# Altium PCB LimeKEY-RPCM_1v2.PcbDoc (part 8 of 8)
Units mm, origin at the board's own origin, x right, y up, seen from the top; angles counter-clockwise.
Board outline 170 x 110 mm, 6 copper layers (Top, L2, L3, L4, L5, Bottom), stack 1.583 mm thick; 727 components, 437 nets, 3165 pads, 1376 vias.
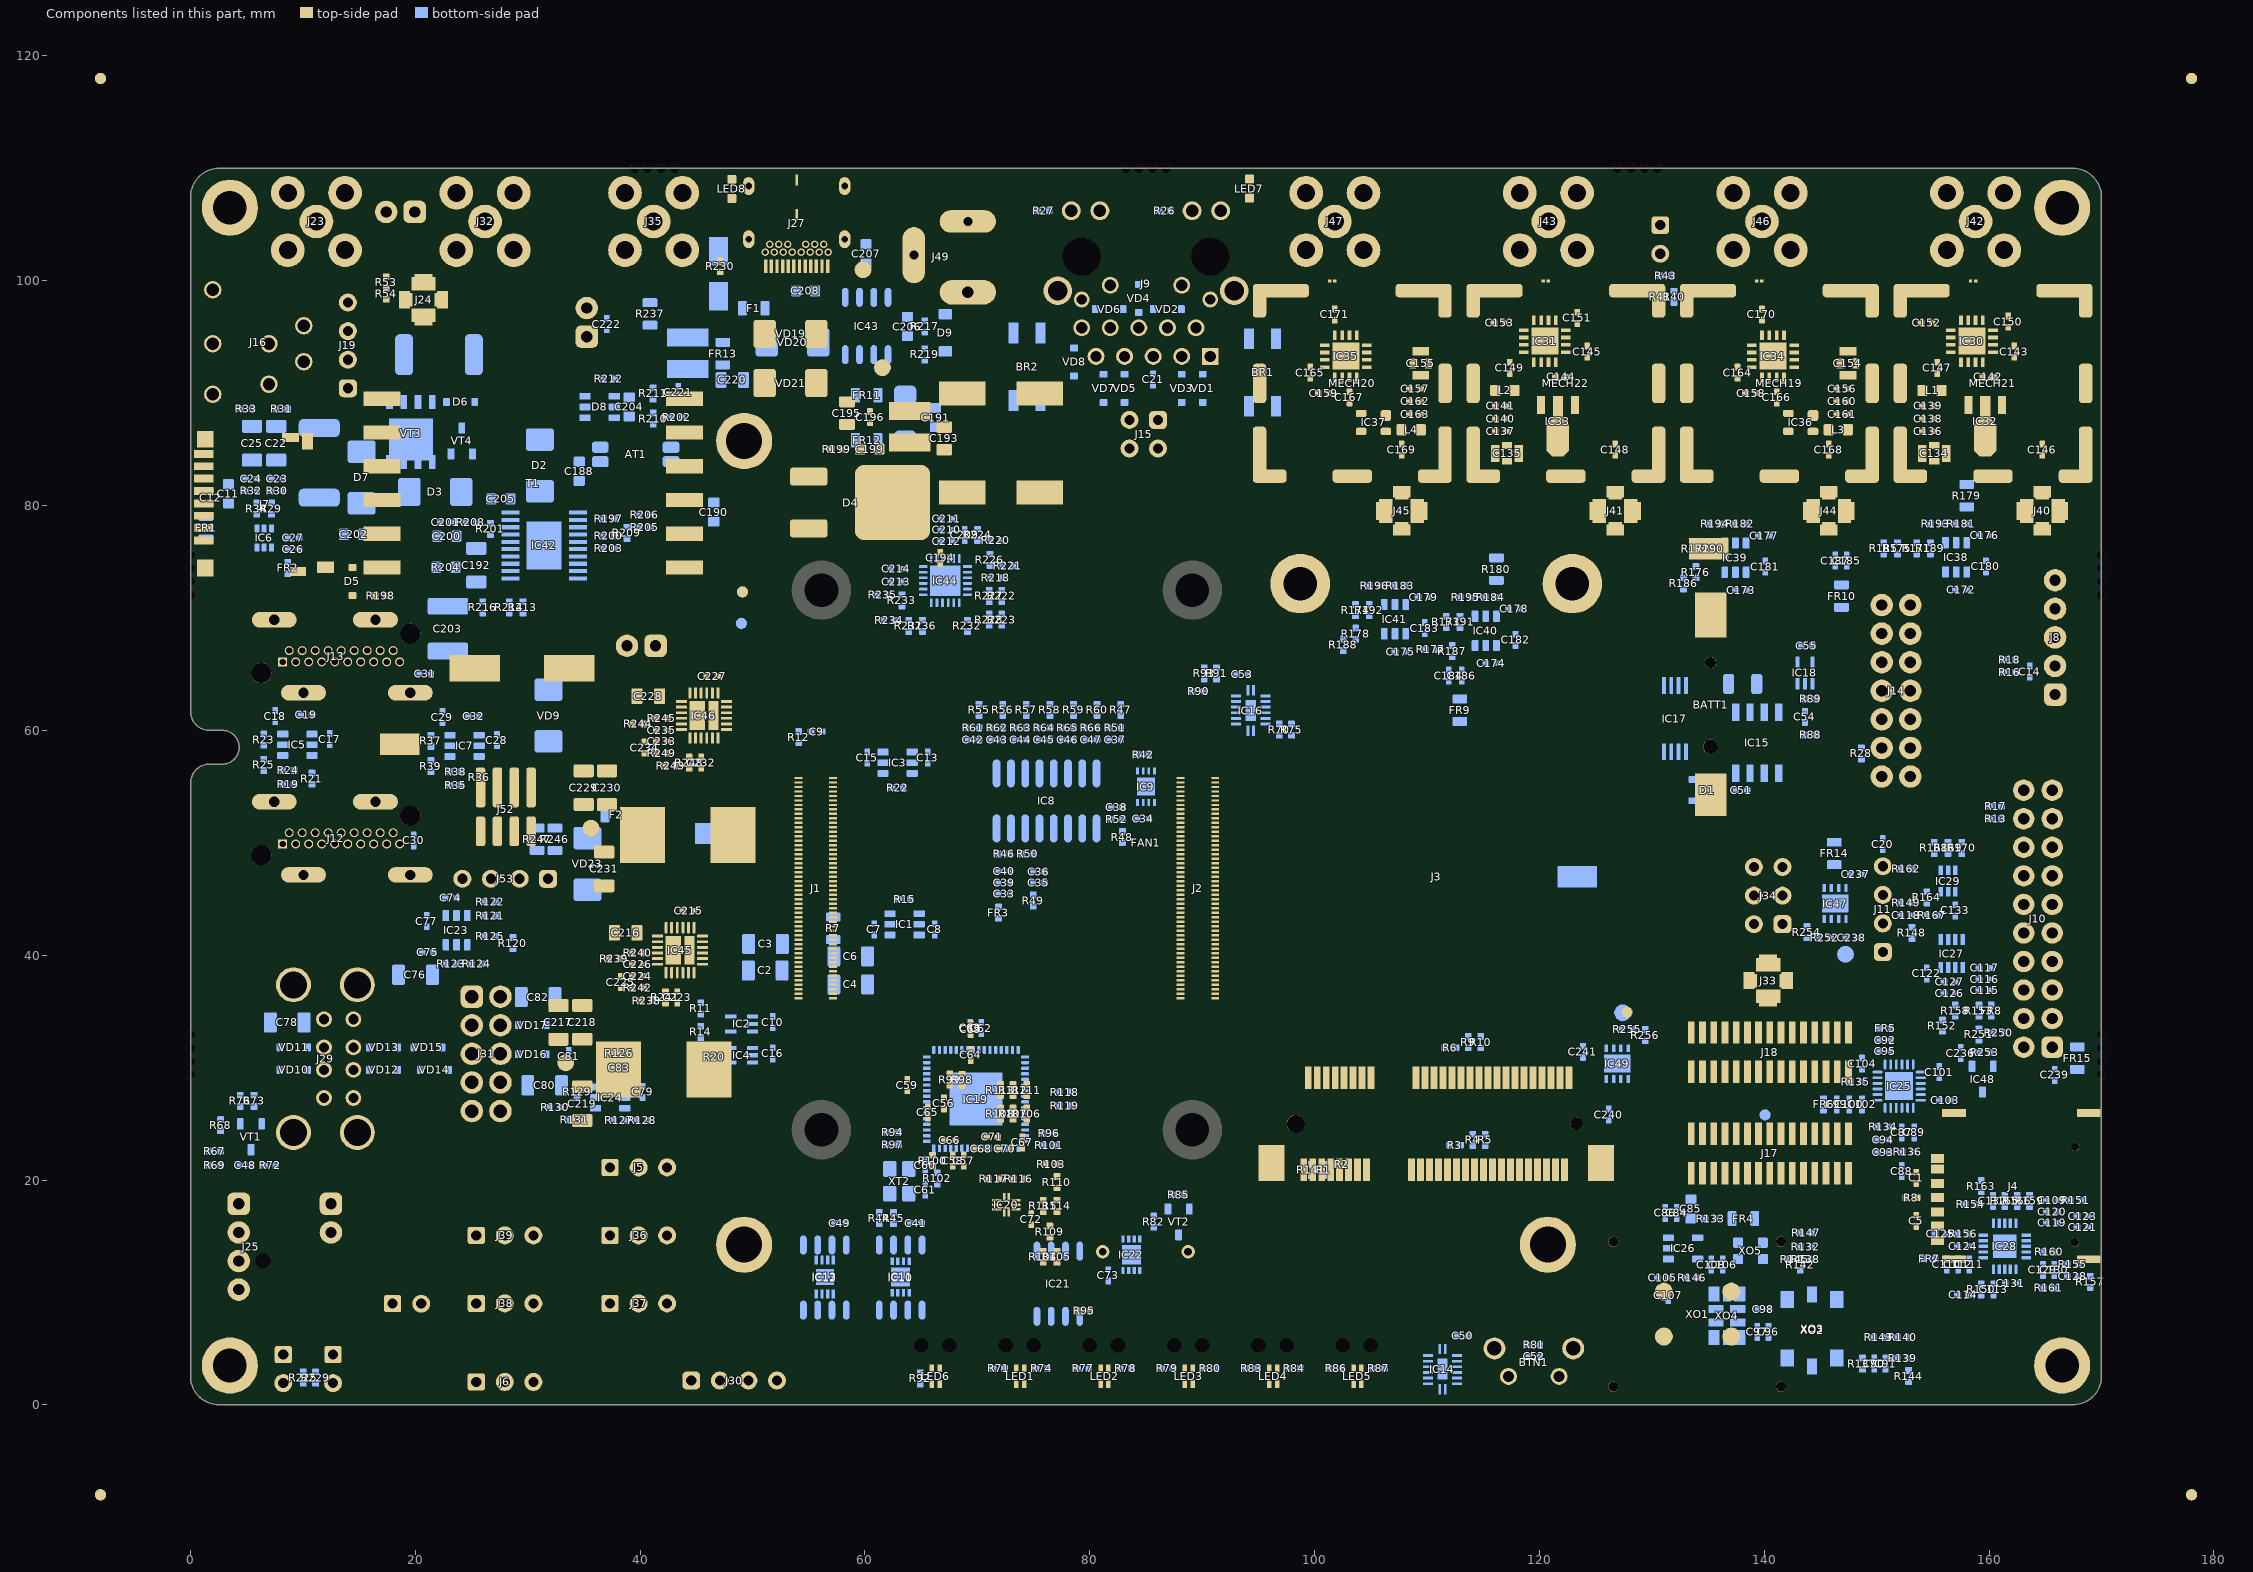
[diagram p12: the components of this part, seen from the top]

## Other copper (continued)
Bottom:
  region net GNDE2: 16.375,76.325 19.75,76.325 19.9,76.475 19.9,78.525 19.75,78.675 16.375,78.675
  region net VCC5P0: 38.325,31.562 38.688,31.925 41.825,31.925 42.525,31.225 42.525,29.8 41.21,28.485 39.315,28.485 38.325,29.475
  region net VCC5P0: 38.325,31.562 38.325,28.725 38.035,28.435 38.485,27.985 40.71,27.985 41.21,28.485 41.21,29.585 39.233,31.562
  region net VCC5P0_USBH: 36.535,28.035 36.385,27.885 33.91,27.885 33.562,27.537 32.437,27.537 32.437,29.037 33.285,29.885 36.11,29.885 36.535,29.46
  region net VCC5P0_USBH: 37.612,30.537 37.275,30.537 36.535,29.797 36.535,29.46 33.71,29.46 33.285,29.885 33.285,30.697 33.425,30.837 33.9,30.837 35.2,32.137 37.35,32.137 37.925,31.562 37.925,30.85
  region net USB_VBUS_IN: 33.725,65.65 34.575,64.8 34.575,62.35 34.35,62.125 32.675,62.125 32.2,62.6 30.725,62.6 30.475,62.85 30.475,64.575 31.55,65.65
  region net USB_VBUS_IN: 65.575,75 65.325,75.25 64.4,75.25 64.175,75.025 64.175,74.375 64.35,74.2 64.6,74.2 64.7,74.3 65.425,74.3 65.575,74.45
  region net USB_VBUS_IN: 52.375,100.6 53.15,99.825 59.625,99.825 60.375,99.075 60.375,97.7 61.925,96.15 64.975,96.15 65.675,96.15 65.825,96.3 65.825,97.475 64.575,98.725 61.25,102.05 55.775,102.05 55.5,102.325 55.5,102.65 55.275,102.875 54.95,102.875 54.775,102.7 54.775,102.25 54.575,102.05 53.375,102.05 53.1,102.325 53.1,102.65 52.875,102.875 52.575,102.875 52.375,102.675
  region net VCC_SCAP: 33.738,49.1 33.113,49.725 30.075,49.725 29.625,49.275 29.625,48.35 30.55,47.425 30.55,43.65 30.975,43.225
  region net NetF2_2: 29.325,50.65 29.325,52.225 30.225,53.125 36.75,53.125 37.275,52.6 37.275,50.325 36.35,49.4 33.75,49.4 32.875,50.275 29.7,50.275
  region net VCC_SCAP: 30.975,48.85 30.975,43.225 31.525,42.675 36.134,42.675 36.8,43.341 36.8,48.55 36.25,49.1 31.225,49.1
  region net NetC202_1: 16.7,79.3 16.3,78.9 15.4,78.9 14.5,78 14.5,76.9 14.25,76.65 12.95,76.65 9.625,79.975 9.625,81.3 9.85,81.525 16.225,81.525 16.7,81.05
  region net NetD3_A: 22.025,87.375 22.025,82.9 21.775,82.65 21.775,81.125 20.6,79.95 18.05,79.95 16.525,81.475 16.525,86.725 17.575,87.775 21.625,87.775
  region net GNDE2: 16.375,78.675 15.475,78.675 14.9,78.1 14.9,76.9 15.475,76.325 16.375,76.325 16.5,76.45 16.5,78.55
  region net NetD3_A: 17.825,87.775 9.9,87.775 9.625,87.5 9.625,86.325 10.325,85.625 10.325,84.9 12.3,82.925 15.95,82.925 17.05,81.825 17.75,81.825 17.825,81.9
  region net VCC3P3: 127.8,29.425 128.725,29.425 128.925,29.225 128.925,26.65 128.175,25.9 125.9,25.9 125.075,26.725 125.075,29.075 125.4,29.4 126.05,29.4 126.25,29.2 126.25,28.55 126.425,28.375 127.425,28.375 127.625,28.575 127.625,29.275 127.775,29.425
  region net VCC3P3: 10.5,61.723 10.5,60.113 10.21,59.823 10.66,59.373 12.885,59.373 13.385,59.873 13.385,60.973 12.635,61.723
  region net VCC3P3: 111,26.45 112.075,25.375 115.2,25.375 116.275,24.3 116.275,21.575 113.35,18.65 113.35,14.025 114.05,13.325 117.125,13.325 117.85,14.05 117.85,16.375 121.7,20.225 121.7,25.025 123.65,26.975 123.65,28.1 123.05,28.7 111.5,28.7 111,28.2
  region net VCC3P3: 125.9,25.9 121.825,25.9 121.175,26.55 121.175,27.925 122.65,29.4 125.4,29.4 125.9,28.9
  region net VCC3P3: 26.858,40.042 27.05,39.85 27.475,39.85 27.8,40.175 27.8,40.7 27.525,40.975 27,40.975 26.858,40.833
  region net VCC3P3: 128.175,25.9 128.925,25.15 134.55,25.15 134.9,25.5 134.9,31.075 133.825,32.15 132.85,32.15 130.125,29.425 128.725,29.425 128.175,28.875
  region net VCC3P3: 56.425,43 56.525,43.1 56.525,43.75 56.675,43.9 56.75,43.9 57.325,44.475 58.875,44.475 59.225,44.125 59.225,43.5 58.825,43.1 58.2,43.1 58.1,43
  region net VCC3P3: 12.323,59.373 13.148,59.373 13.385,59.61 13.385,60.435
  pour cut-out: 15.675,89.942 15.675,95.525 16.675,96.525 27.575,96.525 34.325,89.775 34.325,86.925 26.7,79.3 11.225,79.3 9.3,81.225 9.3,87.95 10.975,89.625 15.358,89.625
  pour cut-out: 15.95,88.925
  pour cut-out: 29.825,71.6 32.05,69.375 44.125,69.375 49.45,74.7 53.598,74.7 60.573,81.675 76.575,81.675 80.225,78.025 89.225,78.025 97.9,86.7 97.9,91.025 95.775,93.15 92.65,93.15 90.408,90.908 90.408,88.175 86.404,84.171 83.529,84.171 77.9,89.799 77.9,92.975 76.775,94.1 68.5,94.1 66.294,91.894 56.852,91.894 48.371,83.413 41.998,83.413 37.21,88.2 33.525,88.2 29.825,84.5
  region net ETH_VC2: 93.5,95.76 93.325,95.585 93.325,94.16 93.575,93.91 94.775,93.91 94.95,94.085 94.95,95.585 94.775,95.76
  region net ETH_VC3: 75,96.275 74.825,96.1 74.825,94.675 75.075,94.425 76.275,94.425 76.45,94.6 76.45,96.1 76.275,96.275
  region net GNDE1: 47.15,79.025 43.175,79.025 41.5,77.35 40.375,77.35 40.6,77.125 45.25,77.125
  region net GNDE2: 25.55,90.025 28.5,87.075 32.275,87.075 32.475,86.875 32.475,84.7 32.325,84.55 33.45,83.425 37.025,83.425 37.2,83.6 37.2,84.25 37.05,84.4 35.575,84.4 35.175,84.8 35.175,86.6 34.3,87.475 34.3,88.475 27.35,95.425 24.425,95.425 24.15,95.15 24.15,90.025
  region net VCC5P0: 28.5,54.75 29.775,56.025 29.9,56.025 30.025,55.9 30.025,54.15 29.1,54.15
  region net NetF1_2: 49.975,92.15 50.325,91.8 53.825,91.8 54.225,92.2 54.225,97.325 52.85,98.7 50.35,98.7 49.975,98.325
  region net GNDE2: 21.35,69.875 22.175,69.05 27.675,69.05 28.7,70.075 28.7,70.75 27.025,70.75 26.275,70 25.575,70 25.4,70.175 25.4,70.725 21.4,70.725 20.95,70.275
  region net GNDE1: 33.925,74.825 33.475,75.275 33.475,76.325 32.925,76.875 32.675,76.625 32.675,75 32.85,74.825
  region net GNDE1: 37.425,78.5 39.125,78.5 39.25,78.625 39.25,79.225 38.925,79.55 37.775,79.55 37.425,79.2
  region net GNDE2: 24.625,91.225 24.95,91.55 26.15,91.55 26.775,92.175 26.775,95 26.35,95.425 24.4,95.425 23.525,94.55 23.525,91.575 23.875,91.225
  region net VCC5P0: 145.534,66.291 143.75,68.075 132.7,68.075 122.6,57.975 112.325,57.975 111.55,58.75 111.55,60.575 112.175,61.2 120.525,61.2 130.251,70.926 145.557,70.926
  region net VCC5P0: 146.975,49.65 148.125,50.8 148.125,58.75 148.9,59.525 148.9,70.075 147.625,71.35 145.85,71.35 143.985,69.485 143.985,67.29 144.35,66.925 144.9,66.925 145.225,66.6 145.225,59.025 144.775,58.575 144.775,50.35 145.475,49.65
  region net VCC5P0: 21.41,46.115 21.97,46.675 22.35,46.675 23.158,45.867 23.158,45.315 22.958,45.115 22.41,45.115
  region net NetC48_1: 2.375,23.475 2.375,24.325 2.725,24.675 3.55,24.675 3.875,24.35 3.875,23.925 3.425,23.475
  region net VCC1P5: 125.575,31.6 122.575,31.6 122.125,31.15 122.125,29.775 121.4,29.05 112.4,29.05 112.225,29.225 112.225,30.775 112.6,31.15 113.05,31.15 113.575,30.625 115.15,30.625 115.475,30.95 115.475,33.125 114.475,34.125 107.825,34.125 103.7,30 100.525,30 100.2,30.325 100.2,32.7 104.65,37.15 116.525,37.15 118.175,35.5 125.775,35.5 125.9,35.625 125.9,31.925
  region net VCC1P5: 126.775,33.975
  region net GND: 47.95,107.525 50.025,107.525 50.225,107.725 50.225,109.125 50,109.35 47.95,109.35
  region net VCC5P0: 29.5,57.435 29.5,53.5 29.6,53.4 36.875,53.4 37.2,53.725 37.2,55.175 30.752,61.623 27.51,61.623 27.51,59.425
  region net VCC3P3_RPI: 56.275,40.525 56.275,41.65 56.425,41.8 57.925,41.8 58.025,41.7 58.025,40.575 57.975,40.525
  region net VCC5P0_USBE: 14.65,35.5 18.895,35.5 20.675,37.28 20.675,39.167 21.11,39.602 22.998,39.602 23.11,39.49 23.11,38.252 23.458,37.904 23.458,35.408 20.95,32.9 14.725,32.9
  region net VCC3P3_RPI: 56.275,39.275 56.625,38.925 57.025,38.925 57.2,38.75 57.9,38.75 58.025,38.875 58.025,40.575 57.8,40.8 56.55,40.8 56.275,40.525
  region net VCC1P8_RPI: 56.45,38.775 56.275,38.6 56.275,36.55 56.55,36.275 57.75,36.275 58.025,36.55 58.025,38.3 57.825,38.5 57.1,38.5 56.825,38.775
  region net VCC5P0: 52.05,37.725 54.15,37.725 54.9,38.475 54.9,41.125 54.1,41.925 52.075,41.925 51.95,41.8 51.95,37.825
  region net VCC5P0_HDMI: 20.335,61.173 19.052,61.173 17.375,62.85 17.375,63.775 17.875,64.275 20.025,64.275 20.65,64.9 20.65,66.7 19.775,67.575 19.1,67.575 18.8,67.875 17.85,67.875 17.575,67.6 17.575,66.95 17.925,66.6 18.825,66.6 19.175,66.25 19.175,65.875 18.875,65.575 16.35,65.575 15.1,64.325 15.1,61.225 18.725,57.6 18.725,57.425 20.335,59.035
  region net VCC5P0_HDMI: 20.335,61.173 18.45,59.288 18.45,55.15 20.675,52.925 20.675,51.9 20.15,51.375 19.1,51.375 18.8,51.675 17.9,51.675 17.55,51.325 17.55,50.725 17.875,50.4 21.3,50.4 22.2,51.3 22.2,54.3 20.612,55.888 20.612,58.825
  region net VCC_INT: 37.775,49.525 37.775,54.875 35.075,57.575 35.075,68.175 35.65,68.75 39.75,68.75 40.125,68.375 40.125,66.475 40.4,66.2 43.725,66.2 44.6,65.325 44.6,62.175 43.825,61.4 40.675,61.4 40.075,60.8 40.075,59.3 44.025,55.35 44.025,48.837 38.462,48.837
  region net VCC_INT: 37.701,43.125 38.45,43.125 39.1,42.475 43.95,42.475 44.85,43.375 44.85,48.013 42.362,50.5 37.9,50.5 37.726,50.326
  region net VCC5P0_RXA_LNA: 109.698,73.94 110.706,74.948 116.927,74.948 117.35,75.371 117.35,77.35 116.525,78.175 109.75,78.175 107.35,75.775 107.35,74.788
  region net VCC5P0_RFA: 110.148,66.765 110.148,65.823 109.75,65.425 108.275,65.425 107.798,65.902 107.798,66.515
  region net VCC5P0_RFA: 107.798,66.515 107.798,64.327 110.05,62.075 116.625,62.075 118.225,63.675 118.225,65.725 115.925,65.725 115,64.8 111.575,64.8 109,67.375 108.56,67.375 107.85,66.665
  region net VCC5P0_RXB_LNA: 158.775,81.4 158.775,82.425 158.55,82.65 155.7,82.65 155.5,82.45 155.5,81.375 155.7,81.175 158.55,81.175
  region net VCC5P0_RFB: 138.085,71.987 138.572,71.5 145.425,71.5 145.875,71.95 149.3,71.95 149.725,72.375 153.5,72.375 156.225,69.65 159.075,69.65 160.073,70.648 160.073,72.265 157.815,72.265 157.65,72.1 156.625,72.1 153.825,74.9 142.975,74.9 142.447,74.372 139.357,74.372 138.085,73.1
  region net VCC3P3_SD: 8.71,59.423 8.56,59.273 6.085,59.273 5.737,58.925 4.612,58.925 4.612,60.425 5.46,61.273 8.285,61.273 8.71,60.848
  region net VCC1P5: 126.35,31.425 126.35,32.15 126.475,32.275 126.875,32.275 127.825,33.225 127.825,35.225 127.425,35.625 125.9,35.625 125.45,35.175 125.45,33.2 125.025,32.775 125.025,31.6 125.3,31.325 126.25,31.325
  region net VCC3P3_CLK: 146.875,43.525 146.875,42.8 146.75,42.675 146.35,42.675 145.4,41.725 145.4,39.725 145.8,39.325 147.325,39.325 147.775,39.775 147.775,41.75 148.2,42.175 148.2,43.35 147.925,43.625 146.975,43.625
  region net NetC237_2: 145.425,45.525 144.5,45.525 144.3,45.725 144.3,48.3 145.05,49.05 147.325,49.05 148.15,48.225 148.15,45.875 147.825,45.55 147.175,45.55 146.975,45.75 146.975,46.4 146.8,46.575 145.8,46.575 145.6,46.375 145.6,45.675 145.45,45.525
  region net VCC5P0_USBE: 14.65,35.5 15.325,34.825 15.325,33.5 14.725,32.9 9.825,32.9 9.4,33.325 9.4,34.775 10.125,35.5
  region net NetC48_1: 2.5,18.35 4.675,20.525 4.675,23.125 3.875,23.925 3.125,23.925 3.125,20.25 2.5,19.625
  region net NetC48_2: 5.1,23.225 4.875,23 4.875,20.175 3.3,18.6 3.3,16.95 3.375,16.875 6.05,16.875 6.875,17.7 6.875,23 6.65,23.225
  region net VCC_INT: 48.1,92.925 48.1,90.875 47.325,90.1 42.6,90.1 41.875,90.825 41.875,92.45 42.65,93.225 47.8,93.225
  region net NetFR13_1: 39.15,96.65 39.15,93.8 39.35,93.6 42.5,93.6 48.075,93.6 48.45,93.975 48.45,95.525 47.8,96.175 45.95,96.175 45.25,96.875 39.375,96.875
  region net VCC_EXT: 49.525,96.5 46.3,96.5 45.575,97.225 39.25,97.225 38.35,96.325 34.125,96.325 33.7,96.75 33.7,100.45 34.225,100.975 48.35,100.975 49.525,99.8
  region net POE_IN+: 33.7,79.2 30.25,79.2 29.825,79.625 29.825,82.125 30.475,82.775 34.1,82.775 35.975,82.775 35.975,79.45 35.725,79.2
  region net GNDE2: 26.325,74.425 26.325,72.45 25.9,72.025 25.625,72.025 25.4,71.8 25.4,70.725 24.55,69.875 21.35,69.875 20.95,70.275 20.95,73.1 21.55,73.7 24.125,73.7 24.85,74.425
  region net NetR213_1: 17.35,88.325 16.55,89.125 16.55,94.6 17.55,95.6 20.075,95.6 20.925,94.75 20.925,88.9 20.35,88.325
  region net GNDE1: 37.425,77.65 38.4,77.65 38.475,77.575 40.15,77.575 40.6,77.125 44.975,77.125 44.975,75.95 43.075,74.05 37,74.05 38.2,75.25 38.2,75.7 38.05,75.85 37.425,75.85
  region net POE_IN+: 33.7,79.2 33.2,79.7 33.2,81.425 35.675,81.425 36.45,80.65 36.45,79.925 35.725,79.2
  region net GNDE1: 43.3,75.125 43.5,74.925 40.35,71.775 33.475,71.775 31.45,73.8 31.45,75.125
  region net VCC5P0_HDMI: 23.585,59.323 23.435,59.173 20.96,59.173 20.612,58.825 19.487,58.825 19.487,60.325 20.335,61.173 23.16,61.173 23.585,60.748
  region net VCC5P0: 25.375,61.623 25.375,60.013 25.085,59.723 25.535,59.273 27.76,59.273 28.26,59.773 28.26,60.873 27.51,61.623
  region net VCC_USB_PD: 54.6,99.2 54.6,94.075 55.4,93.275 56.5,93.275 60.15,96.925 60.15,99.075 59.525,99.7 55.1,99.7
  region net VCC5P0: 20.66,43.23 22.27,43.23 22.56,42.94 23.01,43.39 23.01,45.615 22.51,46.115 21.41,46.115 20.66,45.365
  region net VCC5P0_USBE: 22.96,41.44 23.11,41.29 23.11,38.815 23.458,38.467 23.458,37.342 21.958,37.342 21.11,38.19 21.11,41.015 21.535,41.44
  region net VCC5P0_RFA: 118.225,67.86 116.615,67.86 116.325,68.15 115.875,67.7 115.875,65.475 116.375,64.975 117.475,64.975 118.225,65.725
  region net VCC5P0_TXB_PA: 157.773,76.19 157.623,76.34 157.623,78.815 157.275,79.163 157.275,80.288 158.775,80.288 159.623,79.44 159.623,76.615 159.198,76.19
  region net VCC5P0_RFB: 160.073,74.4 158.463,74.4 158.173,74.69 157.723,74.24 157.723,72.015 158.223,71.515 159.323,71.515 160.073,72.265
  region net VCC5P0_RFB: 140.435,74.372 138.825,74.372 138.535,74.663 138.085,74.213 138.085,71.987 138.585,71.487 139.685,71.487 140.435,72.237
  region net VCC5P0_RXB_LNA: 138.135,76.162 137.985,76.312 137.985,78.788 137.637,79.136 137.637,79.65 139.748,79.65 139.985,79.413 139.985,76.587 139.56,76.162
  region net VCC5P0_TXA_PA: 115.925,69.65 115.775,69.8 115.775,72.275 115.427,72.623 115.427,73.748 116.927,73.748 117.775,72.9 117.775,70.075 117.35,69.65
  region net VCC5P0_RXA_LNA: 107.848,70.69 107.698,70.84 107.698,73.315 107.35,73.663 107.35,74.788 108.85,74.788 109.698,73.94 109.698,71.115 109.273,70.69
  region net VCC5P0_RFA: 110.148,68.9 108.538,68.9 108.248,69.19 107.798,68.74 107.798,66.515 108.298,66.015 109.398,66.015 110.148,66.765

## Silkscreen, mask and mechanical layers (free items; w line width, h text height)
TopOverlay:
  drawing of 2460 lines, arcs and shapes, not listed
  text "POE" at 93.85,105.3 h0.7
  text "USB" at 46.425,105.275 h0.7
  text "EXT SYNC" at 30.5,104.85 h1.5
  text "9-14" at 62.2,104.825 h2.5 r90
  text "VDC" at 64.275,104.825 h2.5 r90
  text "GND" at 126.875,104.475 h0.7
  text "1" at 132.5,104.45 h0.7
  text "VDD" at 93.45,104.075 h0.7
  text "VBUS" at 46.025,104.05 h0.7
  text "RXA" at 109.625,103.35 h1.5 r90
  text "RXB" at 147.625,103.35 h1.5 r90
  text "IN" at 93.875,102.875 h0.7
  text "IN" at 46.45,102.85 h0.7
  text "TRXA" at 114.425,102.525 h1.5 r90
  text "TRXB" at 152.425,102.525 h1.5 r90
  text "RF" at 125.875,102.35 h0.7
  text "SW" at 127.55,102.35 h0.7
  text "INT" at 0.575,102.275 h1.5
  text "GND" at 19.275,101.575 h0.7
  text "TDD" at 126.3,101.25 h0.7
  text "EXT" at 0.6,100.225 h1.5
  text "OUT" at 39.275,98.825 h1.5
  text "IN" at 25.825,98.8 h1.5
  text "USB PD" at 49.45,98.325 h2.5
  text "USB" at 58.675,98 h0.7
  text "VCC" at 29.225,97.55 h0.7
  text "VBUS" at 58.375,96.925 h0.7
  text "TVDAC" at 16.725,96.425 h0.7 r90
  text "EXT" at 29.275,96.4 h0.7
  text "IN" at 58.4,95.825 h0.7
  text "GND" at 29.3,94.5 h0.7
  text "R" at 16.725,94.45 h0.7 r90
  text "VCC12P0" at 59.075,94.35 h0.7
  text "1" at 31,93.275 h0.7
  text "POE" at 59.075,93.275 h0.7
  text "L" at 16.775,92.225 h0.7 r90
  text "Ethernet + (Active) PoE" at 77.65,90.3 h0.7
  text "GND" at 16.775,90.175 h0.7 r90
  text "1" at 87.825,88.475 h0.7
  text "1" at 14.625,88.05 h0.7 r90
  text "VC4" at 79.475,87.225 h0.7
  text "VC2" at 87.725,87.175 h0.7
  text "VC1" at 87.75,84.5 h0.7
  text "VC3" at 79.5,84.475 h0.7
  text "ETH" at 83.525,82.375 h0.7
  text "RXA" at 111.05,79.775 h1.2
  text "TXA" at 120.7,79.775 h1.2
  text "RXB" at 149.05,79.775 h1.2
  text "TXB" at 158.7,79.775 h1.2
  text "OUT" at 111.05,78.05 h1.2
  text "IN" at 121.25,78.05 h1.2
  text "OUT" at 149.05,78.05 h1.2
  text "IN" at 159.25,78.05 h1.2
  text "RPI SYS" at 147.725,74.15 h1.2
  text "GND" at 133.925,73.575 h0.7
  text "5" at 161.425,73 h0.7
  text "14" at 149.6,72.825 h0.7
  text "13" at 152.325,72.825 h0.7
  text "uSD" at 3.7,72.275 h1.5
  text "CR1220" at 138.6,71.3 h0.7
  text "GLOBAL EN" at 144.525,69.975 h0.7
  text "RUN PG BUFF" at 154.625,69.975 h0.7
  text "PANEL" at 161.075,68.775 h1.2 r90
  text "GND" at 143.229,68.136 h0.7
  text "TVDAC" at 154.679,68.107 h0.7
  text "GND" at 43.2,66.975 h0.7
  text "GND" at 143.229,65.593 h0.7
  text "1" at 43.15,64.85 h0.7
  text "SYNC OUT" at 154.679,64.814 h0.7
  text "GND" at 154.679,63.021 h0.7
  text "VCC" at 36.35,62.975 h0.7
  text "1" at 161.65,62.625 h0.7
  text "SYNC IN" at 145.85,62.2 h0.7
  text "FRONT" at 161.1,62 h1.2 r90
  text "INT" at 36.375,61.9 h0.7
  text "HDMI1" at 0.775,60.725 h1.5
  text "AIP1" at 143.229,60.507 h0.7
  text "AIP0" at 154.679,60.479 h0.7
  text "19" at 167.95,60.275 h0.7
  text "20" at 159.15,60.125 h0.7
  text "cap" at 29.925,57.925 h1.2
  text "GND" at 154.679,57.936 h0.7
  text "Super" at 23.125,57.9 h1.2
  text "EEPROM nWP" at 144.525,57.25 h0.7
  text "GND" at 17.625,56.25 h0.7
  text "nRPIBOOT" at 143.229,55.421 h0.7
  text "GND" at 154.679,55.393 h0.7
  text "HDMI0" at 0.725,54.675 h1.5
  text "2" at 149.925,53.125 h0.7
  text "1" at 152.775,53.125 h0.7
  text "RPI" at 134.2,48.25 h0.7
  text "VCC" at 146.7,48.025 h0.7
  text "SYNC" at 134.325,47.15 h0.7
  text "3P3" at 146.724,46.925 h0.7
  text "1" at 33.6,46.325 h0.7
  text "VCC5P0" at 35.275,46.1 h0.7 r90
  text "OUT" at 134.3,46.1 h0.7
  text "PCIe" at 143.2,45.85 h0.7
  text "SYNC" at 131.575,45.175 h1.2 r90
  text "SEL" at 133.925,45.15 h1.2 r90
  text "RX" at 144.475,44.8 h0.7
  text "PPS" at 142.85,44.75 h0.7
  text "GND" at 25.557,43.85 h0.7
  text "GND" at 28.25,43.85 h0.7
  text "VCC" at 30.85,43.85 h0.7
  text "SCAP" at 33.175,43.85 h0.7
  text "TEMP" at 22.2,43.825 h0.7
  text "OUT" at 143.2,43.625 h0.7
  text "LMK" at 134.5,43.175 h0.7
  text "TX" at 147.2,42.275 h0.7
  text "1" at 143.3,42.175 h0.7
  text "CLK" at 134.15,42.1 h0.7
  text "2" at 29.3,41.925 h0.7
  text "Bottom" at 6.35,41.525 h1.2
  text "EXT" at 131.575,41.225 h1.2 r90
  text "OUT" at 133.9,41.225 h1.2 r90
  text "Top" at 13.9,41.125 h1.2
  text "OUT3" at 134.475,40.975 h0.7
  text "GND" at 144.555,39.791 h0.7
  text "RPI UART" at 153.825,39.575 h1.2 r90
  text "D2" at 10.675,39.55 h1.2
  text "D3" at 13.925,39.55 h1.2
  text "RPI GPIO" at 158.675,39.5 h1.2 r90
  text "Dual USB2.0" at 0.15,39.3 h1.5
  text "LMK" at 134.125,38.85 h1.2
  text "1" at 150.2,37.55 h0.7
  text "CLK" at 134.125,37.075 h1.2
  text "OUT1" at 133.825,35.25 h1.2
  text "CAMERA1" at 137.575,26.925 h1.2
  text "1" at 169.5,26.325 h0.7
  text "2" at 158.225,26.3 h0.7
  text "VCC3P3" at 33.55,24.925 h0.7 r90
  text "GND" at 38.7,22.85 h0.7
  text "USB2.0 header" at 21.25,21.225 h1.5 r90
  text "1" at 34.9,20.625 h0.7
  text "10" at 28.775,19.475 h0.7
  text "9" at 22.95,19.45 h0.7
  text "1" at 7.95,18.875 h0.7
  text "1" at 16.1,18.875 h0.7
  text "RPI CM4" at 57.925,18.425 h1.2
  text "mPCIe x1" at 107.875,18.25 h1.2
  text "RPI" at 33.25,18.225 h0.7
  text "GLOBAL" at 35.45,18.225 h0.7
  text "EN" at 39.8,18.225 h0.7
  text "RPI" at 41.575,18.225 h0.7
  text "RUN" at 43.775,18.225 h0.7
  text "PG" at 46.1,18.225 h0.7
  text "LMK" at 22.875,17.95 h0.7
  text "CLK" at 25.134,17.95 h0.7
  text "EXT" at 27.975,17.95 h0.7
  text "SYNC" at 30.15,17.95 h0.7
  text "DISPLAY1" at 137.2,17.925 h1.2
  text "CTRL" at 16.125,17.2 h1
  text "REF" at 36.65,16.825 h0.7
  text "CLK" at 38.9,16.825 h0.7
  text "IN" at 41.25,16.825 h0.7
  text "OUT2" at 23.4,16.775 h0.7
  text "IN" at 29.6,16.775 h0.7
  text "VCC" at 16.15,14.675 h1
  text "1" at 23,14.525 h0.7
  text "1" at 34.9,14.525 h0.7
  text "PCIe" at 24.825,12.25 h0.7
  text "UIMC4" at 27.8,12.25 h0.7
  text "RPI" at 34.45,12.025 h0.7
  text "SYNC" at 36.65,12.025 h0.7
  text "EXT" at 40.1,12.025 h0.7
  text "SYNC" at 42.275,12.025 h0.7
  text "NC" at 7.875,12 h1
  text "ADC" at 18.95,11.65 h0.7
  text "Nano-SIM" at 158.675,11.275 h1.2
  text "OUT" at 35.95,10.975 h0.7
  text "IN" at 41.875,10.95 h0.7
  text "RPI" at 24.625,10.775 h0.7
  text "SYNC" at 26.875,10.775 h0.7
  text "IN" at 29.9,10.775 h0.7
  text "GND" at 16.8,10.525 h0.7
  text "USR" at 19.275,10.525 h0.7
  text "NC" at 7.925,9.6 h1
  text "FAN" at 10.475,9.225 h1.2
  text "1" at 15.666,8.575 h0.7
  text "1" at 23,8.475 h0.7
  text "1" at 34.9,8.475 h0.7
  text "USB PD" at 6.075,7.3 h0.7
  text "USB C" at 10.825,7.3 h0.7
  text "RPI BTN1" at 115.2,7.05 h1.2
  text "RPI Status" at 101.725,6.8 h0.7
  text "VCC3P3 Power" at 64.2,6.75 h0.7
  text "1" at 71.7,6.75 h0.7
  text "4" at 94.2,6.75 h0.7
  text "PCIe" at 36.475,6.2 h0.7
  text "PPS" at 39.4,6.2 h0.7
  text "IN" at 41.75,6.2 h0.7
  text "1.5A" at 6.05,6.175 h0.7
  text "RPI" at 11.3,6.175 h0.7
  text "PCIe" at 21.025,6.15 h0.7
  text "PPS" at 23.9,6.15 h0.7
  text "OUT" at 26.25,6.15 h0.7
  text "EXT" at 29.075,6.15 h0.7
  text "SYNC" at 31.325,6.15 h0.7
  text "IN" at 34.35,6.15 h0.7
  text "RPI" at 29.65,5.05 h0.7
  text "BT" at 31.95,5.05 h0.7
  text "RPI" at 22.2,5.025 h0.7
  text "WL" at 24.4,5.025 h0.7
  text "1" at 6.025,3.925 h0.7
  text "1" at 10.45,3.925 h0.7
  text "GND" at 43.35,3.85 h0.7
  text "D0+" at 45.95,3.85 h0.7
  text "D0-" at 48.6,3.85 h0.7
  text "VCC5P0" at 51.025,3.85 h0.7
  text "GND" at 26.775,3.725 h0.7
  text "DISABLE" at 29.175,3.725 h0.7
  text "DISABLE" at 21.725,3.7 h0.7
  text "USB2.0" at 54.925,1.975 h1.2
  text "1" at 42.175,1.5 h0.7
  text "1" at 23,1.488 h0.7
  text "LimeKEY RPCM  / v1.1" at 143.425,1.15 h2.6
  text "HUB" at 54.975,0.075 h1.2
BottomOverlay:
  circle w0.2: c49.25,85.75 r3.5
  circle w0.2: c49.25,14.25 r3.5
  circle w0.2: c120.75,14.25 r3.5
  circle w0.2: c89.125,72.475 r3.5
  circle w0.2: c89.125,24.475 r3.5
  circle w0.2: c56.125,24.475 r3.5
  circle w0.2: c56.125,72.475 r3.5
  region: 162.793,90.374 169.75,90.374 169.75,101.026 162.793,101.026
  lines w0.15: 24.175,25.325 23.75,24.9 ; 24.175,26.95 23.75,27.375 ; 25.875,25.325 26.3,24.9 ; 25.875,26.95 26.3,27.375 ; 147.313,8.638 148.688,9.013 ; 23.75,24.9 26.3,24.9 ; 23.75,24.9 23.75,27.375 ; 23.75,27.375 26.3,27.375 ; 26.3,24.9 26.3,27.375 ; 95.687,70.038 95.687,76.063 101.762,76.063 101.762,70.038 95.687,70.038 ; 119.887,70.038 119.887,76.063 125.962,76.063 125.962,70.038 119.887,70.038
  text "GND" at 47.55,48.4 h0.7
  text "GND" at 124.225,44.575 h0.7
  text "CLK" at 144.7,38.025 h0.7
  text "VCC3P3" at 149.25,38.025 h0.7
  text "VCC1P5" at 129.325,36.175 h0.7
TopSolder:
  region: 53.525,102.425 54.325,102.425 54.325,102.625 53.525,102.625
  region: 51.05,102.825 51.6,103.375 53.05,103.375 53.6,102.825 53.6,102.62 53.355,102.375 51.295,102.375 51.05,102.62
  region: 56.8,102.825 56.25,103.375 54.8,103.375 54.25,102.825 54.25,102.62 54.495,102.375 56.555,102.375 56.8,102.62
BottomSolder:
  region: 53.525,102.425 54.325,102.425 54.325,102.625 53.525,102.625
  region: 55.475,13.575 55.475,13.25 55.6,13.125 56,13.125 56.075,13.2 56.075,13.575
  region: 57.375,13.575 57.375,13.25 57.25,13.125 56.85,13.125 56.775,13.2 56.775,13.575
  region: 51.05,102.825 51.6,103.375 53.05,103.375 53.6,102.825 53.6,102.62 53.355,102.375 51.295,102.375 51.05,102.62
  region: 56.8,102.825 56.25,103.375 54.8,103.375 54.25,102.825 54.25,102.62 54.495,102.375 56.555,102.375 56.8,102.62
Mechanical1:
  drawing of 2579 lines, arcs and shapes, not listed
  text "LimeKEY RPCM v1.1" at 337.5,286.5 h7
  text "CONTROLLED IMPEDANCE" at 197.6,273 h3
  text "STACKUP AND LAYER DESCRIPTION" at 326.6,273 h3
  text "GENERAL PARAMETERS" at 211.5,266.5 h1.7
  text "Parameter" at 233.5,262.725 h1.5
  text "Layer/Layers" at 279,262.5 h1.5
  text "Value" at 309,262.5 h1.5
  text "Top" at 274,257.7 h1.5
  text "17.5um" at 301.3,257.7 h1.5
  text "Copper foil thickness" at 198.5,257.5 h1.5
  text "173um (6.8 mils)" at 300.6,253.1 h1.5
  text "Dielectric thickness between layers" at 198.5,252.5 h1.5
  text "4.2" at 301.5,247.7 h1.5
  text "Dielectric permittivity between layers (Er)" at 198.5,247.5 h1.5
  text "Top-L2" at 274,246.5 h1.5
  text "17.5um" at 301.3,242.7 h1.5
  text "Copper foil thickness" at 198.5,242.5 h1.5
  text "Bottom" at 274,241.5 h1.5
  text "173um (6.8 mils)" at 300.6,238.1 h1.5
  text "Dielectric thickness between layers" at 198.5,237.5 h1.5
  text "TH via" at 460.725,234.975 h1.52
  text "GERBER LAYER NAMES:" at 334.325,233.575 h1.52
  text "4.2" at 301.5,232.7 h1.5
  text "Dielectric permittivity between layers (Er)" at 198.5,232.5 h1.5
  text "Top-Bot" at 460.175,231.9 h1.52
  text "Bottom-L5" at 274,231.6 h1.5
  text "GTP" at 335.425,230.025 h1.52
  text "Top solder paste" at 340.525,229.675 h1
  text "GTO" at 335.425,226.95 h1.52
  text "Silkscreen" at 340.425,226.725 h1
  text "ELECTRICAL LAYERS:" at 474.725,225.475 h1.52
  text "CALCULATIONS" at 197.5,225 h1.7
  text "GTS" at 335.425,224.275 h1.52
  text "Soldermask (halogen free)" at 340.425,222.975 h1
  text "Top: RF//PWR/GND" at 475.4,222 h1.52
  text "GTL" at 335.425,221.775 h1.52
  text "0.5oz+plating" at 340.425,221.275 h1
  text "Target impedance" at 204.5,220 h1.5
  text "Single-ended" at 274,220 h1.5
  text "50R" at 300.5,220 h1.5
  text "6.8mil (173um)" at 372.285,219.1 h1
  text "IT180A: 1086X1+2113X1" at 389.385,219.1 h1.2
  text "PP" at 362.725,218.975 h1
  text "G1" at 335.425,217.275 h1.52
  text "L2: GND" at 475.425,216.975 h1.52
  text "1oz (35um)" at 340.285,216.925 h1
  text "Additional comments" at 204.5,215 h1.5
  text "Top layer, no side GND plane" at 274,215 h1.5
  text "10mil (250um)" at 372.285,214.6 h1
  text "IT180A: 2116X2" at 389.385,214.6 h1.2
  text "CORE" at 362.725,214.475 h1
  text "G2" at 335.425,212.775 h1.52
  text "L3: Signal/PWR/GND" at 475.425,212.475 h1.52
  text "1oz (35um)" at 340.285,212.425 h1
  text "IT180A: 7628X2" at 389.335,210.1 h1.2
  text "18mil (450um)" at 372.235,210.05 h1
  text "Top layer copper foil thickness" at 204.5,210 h1.5
  text "17.5 um" at 274,210 h1.5
  text "PP" at 362.725,209.975 h1
  text "G3" at 335.425,208.275 h1.52
  text "L4: PWR/Signal/GND" at 475.425,207.975 h1.52
  text "1oz (35um)" at 340.285,207.925 h1
  text "10mil (250um)" at 372.285,205.6 h1
  text "IT180A: 2116X2" at 389.385,205.6 h1.2
  text "CORE" at 362.725,205.475 h1
  text "Track width" at 204.5,205 h1.5
  text "0.325 mm (12.795 mils)" at 274,205 h1.5
  text "G4" at 335.425,203.775 h1.52
  text "L5: GND" at 475.525,203.475 h1.52
  text "1oz (35um)" at 340.285,203.425 h1
  text "IT180A: 1086X1+2113X1" at 389.41,201.3 h1.2
  text "6.8mil (173um)" at 372.285,201.1 h1
  text "PP" at 362.725,200.975 h1
  text "173um (6.8 mils)" at 274,200.1 h1.5
  text "Top layer copper foil thickness" at 204.5,200 h1.5
  text "GBL" at 335.425,199.275 h1.52
  text "Bottom: RF/Signal/PWR/GND" at 475.475,199.25 h1.52
  text "0.5oz+plating" at 340.425,198.775 h1
  text "GBS" at 335.425,196.775 h1.52
  text "173um (6.8 mils)" at 300.6,196.6 h1.5
  text "Dielectric thickness between layers" at 204.5,196 h1.5
  text "Soldermask (halogen free)" at 340.425,195.575 h1
  text "ADDITIONAL LAYERS:" at 477.725,194.975 h1.52
  text "GBO" at 335.425,194.175 h1.52
  text "Silkscreen" at 340.425,193.975 h1
  text "4.2" at 301.5,191.2 h1.5
  text "GBP" at 335.425,191.2 h1.52
  text "Bottom solder paste" at 340.425,191 h1
  text "Mechanical 1: Board cutout" at 480.425,190.775 h1.52
  text "Dielectric permittivity between layers (Er)" at 204.5,190 h1.5
  text "Top-L2" at 274,190 h1.5
  text "Total PCB thicknes: 1.6mm +/- 10%" at 359.025,188.475 h1.52
  text "Via type #1" at 417.475,188.275 h1.52
  text "ASM TOP: Assembly top" at 480.425,187.775 h1.52
  text "0.2mm drill / 0.4mm ring" at 458.725,187.033 h1.2
  text "49.99 Ohms (+/- 10% tolerance)" at 274,185.1 h1.5
  text "RF (Top)" at 204,185 h2 r90
  text "Approximate microstrip line impedance" at 204.5,185 h1.5
  text "ASM BOT: Assembly bottom" at 480.425,184.775 h1.52
  text "Mechanical 13: Component 3D body" at 480.425,181.775 h1.52
  text "Target impedance" at 204.5,180 h1.5
  text "Differential" at 274,180 h1.5
  text "100R" at 300.5,180 h1.5
  text "Notes: Board shape and frame" at 480.5,178.85 h1.52
  text "Additional comments" at 204.5,175 h1.5
  text "Top layer, no side GND plane" at 274,175 h1.5
  text "Top layer copper foil thickness" at 204.5,170 h1.5
  text "17.5 um" at 274,170 h1.5
  text "Track width" at 204.5,165 h1.5
  text "0.2 mm (7.874 mils)" at 274,165 h1.5
  text "Track spacing" at 204.5,160 h1.5
  text "0.14 mm (5.511 mils)" at 274,160 h1.5
  text "173um (6.8 mils)" at 274,155.1 h1.5
  text "Top layer copper foil thickness" at 204.5,155 h1.5
  text "173um (6.8 mils)" at 300.6,151.6 h1.5
  text "Dielectric thickness between layers" at 204.5,151 h1.5
  text "4.2" at 301.5,146.2 h1.5
  text "Dielectric permittivity between layers (Er)" at 204.5,145 h1.5
  text "Top-L2" at 274,145 h1.5
  text "100.6 Ohms (+/- 10% tolerance)" at 274,140.1 h1.5
  text "HDMI (Top)" at 204,140 h2 r90
  text "Approximate microstrip line impedance" at 204.5,140 h1.5
  text "Board Cutout" at 76.725,127.075 h1.5
  text "VERY IMPORTANT NOTES" at 326.6,121.8 h3
  text "GENERAL PCB SPECS" at 326.6,115.3 h1.7
  text "ADDITIONAL REQUIREMENTS" at 435.6,115.3 h1.7
  text "Minimum copper to copper spacing" at 327.5,110.3 h1.5
  text "0.1mm (3.9mil)" at 383,110.3 h1.5
  text "Minimum track width" at 327.5,105.3 h1.5
  text "0.1mm (3.9mil)" at 383,105.3 h1.5
  text "Electrical test : 100 % netlist." at 440.55,105.3 h1.5
  text "PCB thickness" at 327.5,100.3 h1.5
  text "1.6mm +/-10%" at 383,100.3 h1.5
  text "Boards are to be individually bagged." at 440.55,95.3 h1.5
  text "PCB material" at 327.5,90.3 h1.5
  text "IT-180A preferred or equivalent RF-rated material (up to 3 GHz or higher)" at 384,90.2 h1.5
  text "External layer" at 383,85.3 h1.5
  text "0.5 oz+plating" at 409.6,85.3 h1.5
  text "PCB vendor to silkscreen UL and RoHS compliance marks, vendor logo and date code on bottom where shown (ignore if none of the info will be placed on PCB)" at 440.55,85.3 h1.5
  text "Copper weight" at 327.5,80.5 h1.5
  text "Internal layer" at 383,80.3 h1.5
  text "1 oz" at 409.5,80.3 h1.5
  text "DARK BLUE" at 383,75.3 h1.5
  text "RPI CM4" at 71.4,74.45 h1
  text "Assembly note: Assembly house MUST provide notes in paper with shipped board if there were any changes during assembly and the board is not assembled 100% according to BOM and P&P files. Note example:" at 440.55,72.3 h1.5
  text "Both sides" at 383,70.3 h1.5
  text "NPTH" at 75.35,68.3 h1
  text "Comment" at 501.3,68.25 h1.5
  text "Part" at 441.9,67 h1.5
  text "Initial BOM asm. note" at 450.3,67 h1.5
  text "Current PCB status" at 468.3,67 h1.5
  text "Halogen free" at 383,65.3 h1.5
  text "R1" at 443.15,62 h1.5
  text "FIT" at 456.4,62 h1.5
  text "NF" at 474.65,62 h1.5
  text "Not mounted due to bad footprint" at 485.9,61.5 h1.5
  text "Solder mask" at 327.5,60.3 h1.5
  text "Glossy finish (NOT matte)" at 383,60.3 h1.5
  text "IC5" at 442.65,59 h1.5
  text "FIT" at 456.4,59 h1.5
  text "NF" at 474.65,58.5 h1.5
  text "Not mounted due to part shortage" at 485.9,58 h1.5
  text "White epoxy ink" at 383,55.3 h1.5
  text "pin 102" at 91.4,54.075 h0.55 r90
  text "pin 101" at 88.05,54.05 h0.55 r90
  text "pin 2" at 58,53.175 h0.55 r90
  text "pin 1" at 54.65,53.15 h0.55 r90
  text "Mini PCIe card" at 104.175,51.05 h1
  text "Both sides" at 383,50.3 h1.5
  text "Halogen free" at 383,45.3 h1.5
  text "Silkscreen" at 327.5,40.3 h1.5
  text "No silkscreen on pads" at 383,40.3 h1.5
  text "Plated" at 383,35.3 h1.5
  text "Non-plated" at 409.5,35.3 h1.5
  text "pin 200" at 91.075,34.725 h0.55 r90
  text "pin 199" at 87.725,34.7 h0.55 r90
  text "pin 100" at 57.675,33.825 h0.55 r90
  text "pin 99" at 54.325,33.8 h0.55 r90
  text "Hole types on the PCB and information" at 327.5,25.3 h1.5
  text "Hole diameters are final manufactured diameters INCLUDING HOLE METALIZATION." at 387.2,25.3 h1.5
  text "WiFi Cutout" at 68.875,21.425 h0.55 r90
  text "V-score" at 383.75,20.3 h1.5
  text "Tab route" at 409.5,20.3 h1.5
  text "Route process" at 327.5,15.3 h1.5
  text "V-score and tab route" at 383.75,15.3 h1.5
  text "Panel" at 327.4,10.3 h1.5
  text "Yes" at 383.75,10.3 h1.5
  text "No" at 409.5,10.3 h1.5
  text "HASL lead free" at 383.75,5.3 h1.5
  text "HASL with lead" at 383.75,0.3 h1.5
  text "Immersion gold" at 383.75,-4.7 h1.5
  text "0.05-0.10um of gold over / 2.50-5.00um of nickel" at 405.15,-4.8 h1
  text "OSP" at 383.75,-9.7 h1.5
  text "Surface finish (both sides)" at 327.3,-15 h1.5
  text "Hard gold" at 383.75,-15 h1.5
Notes:
  lines w0.1: 0,28.25 -5,28.25 -5,-5 175,-5 175,28.25 170,28.25 ; 0,34.075 -5,34.075 -5,70.925 0,70.925 ; 0,76.75 -5,76.75 -5,115 38.35,115 38.35,110 ; 44.175,110 44.175,115 82.087,115 82.087,110 ; 87.913,110 87.913,115 125.825,115 125.825,110 ; 131.65,110 131.65,115 175,115 175,76.75 170,76.75 ; 170,34.075 175,34.075 175,70.925 170,70.925 ; -15.215,-15.2 185.215,-15.2 185.215,125.2 -15.215,125.2 -15.215,-15.2
  lines w0.15: 38.35,110 2.54,110 ; 82.087,110 44.175,110 ; 125.825,110 87.913,110 ; 131.65,110 167.46,110 ; 2.54,110 ccw(c2.54,107.46) 0,107.46 0,76.75 0,70.925 0,61.672 ccw(c1.674,61.672) 1.674,59.998 2.823,59.998 cw(c2.823,58.498) 4.323,58.498 cw(c2.823,58.498) 2.823,56.998 1.674,56.998 ccw(c1.674,55.324) 0,55.324 0,55 0,34.075 0,28.25 0,2.54 ccw(c2.54,2.54) 2.54,0 167.46,0 ccw(c167.46,2.54) 170,2.54 170,28.25 170,34.075 170,70.925 170,76.75 170,107.46 ccw(c167.46,107.46) 167.46,110 ; 2.54,110 167.46,110 ; 44.175,110 44.175,110 ; 87.913,110 87.913,110
ASM BOT:
  lines w0.1: 4.075,82.975 5.4,82.375 ; 4.725,80.4 5.4,81.325 ; 4.975,78.475 5.9,79.725
  lines w0.15: 38.35,110 2.54,110 ; 82.087,110 44.175,110 ; 125.825,110 87.913,110 ; 131.65,110 167.46,110 ; 163.525,16.375 165.6,17.2 ; 2.54,110 ccw(c2.54,107.46) 0,107.46 0,76.75 0,70.925 0,61.672 ccw(c1.674,61.672) 1.674,59.998 2.823,59.998 cw(c2.823,58.498) 4.323,58.498 cw(c2.823,58.498) 2.823,56.998 1.674,56.998 ccw(c1.674,55.324) 0,55.324 0,55 0,34.075 0,28.25 0,2.54 ccw(c2.54,2.54) 2.54,0 167.46,0 ccw(c167.46,2.54) 170,2.54 170,28.25 170,34.075 170,70.925 170,76.75 170,107.46 ccw(c167.46,107.46) 167.46,110 ; 2.54,110 167.46,110 ; 44.175,110 44.175,110 ; 87.913,110 87.913,110
  lines w0.2: 24.45,79.55 24.95,78.5
  text "Assembly bottom" at 93.65,110.925 h1.25
ASM TOP:
  drawing of 342 lines, arcs and shapes, not listed
  text "Assembly top" at 78.15,114.45 h1.25
  text "M2 screw, ex. MECH1" at 96.9,70.625 h0.55
  text "M2 screw, ex. MECH1" at 114.25,70.55 h0.55
  text "M2 screw, ex. MECH1" at 51.475,70.3 h0.55
  text "M2 screw, ex. MECH1" at 84.45,70.175 h0.55
  text "Jumper, ex. JMP2" at 132.3,47.875 h0.55
  text "LimeSDR-XTRX is mounted into J3 connector first, then 2 pcs. of M2 screws are added to hold it in place." at 103.975,45.925 h0.7
  text "Raspberry CM4 is mounted on top of J1 and J2 connectors first, then 4 pcs. of M2 screws are added to hold it in place." at 65.35,42.4 h0.7
  text "M2 screw, ex. MECH1" at 51.35,22.525 h0.55
  text "pin 9 removed" at 22.9,22.5 h0.55
  text "M2 screw, ex. MECH1" at 84.35,22.425 h0.55
  text "Jumper, ex. JMP2" at 31.8,4.25 h0.55
  text "FAN screws and spacers assembly" at 45.325,-4.425 h0.9
  text "FAN wire orientation" at 137.7,-4.475 h0.9
  text "FAN wires" at 141.9,-7.225 h0.9
  text "FAN wires must face top of the board and connector J26" at 125.1,-11.625 h0.9
  text "FAN orientation and screw position" at 83.6,-11.675 h0.9
  text "FAN" at 144,-14.1 h0.9
  text "FAN top" at 92.15,-18.5 h0.9
  text "3" at 43.325,-22.75 h0.9
  text "Mounted from PCB top through FAN hole M3" at 24.975,-23.075 h0.9
  text "ex. MECH34" at 25.075,-24.45 h0.9
  text "PCB" at 159.325,-25.1 h0.9
  text "J26" at 128.825,-25.675 h0.8
  text "Screw position on the FAN" at 76,-26.525 h0.9
  text "3" at 41.678,-27.729 h0.9
  text "Spacer sleeve M3" at 25.778,-28.029 h0.9
  text "Mounted from PCB top" at 11,-29.15 h0.9
  text "ex. MECH37" at 25.75,-29.325 h0.9
  text "FAN" at 126.45,-29.35 h0.8
  text "Screw M3" at 32.878,-34.928 h0.9
  text "3" at 41.856,-34.928 h0.9
  text "Mounted from PCB bottom" at 21.525,-35.625 h0.9
  text "FAN blowing direction. Arrow MUST be facing down (on the PCB)" at 93.5,-35.775 h0.9
  text "ex. MECH40" at 21.4,-37.275 h0.9
  text "Crimp ends with MECH27, MECH28, MECH29" at 134.45,-37.325 h0.8

## Dimensions
89.125,72.475 to 85.95,69.775 on Mechanical1
56.125,72.475 to 89.125,72.475 on Mechanical1
56.125,24.475 to 56.125,72.475 on Mechanical1
2.54,110 to 2.54,0 on Mechanical1
122.925,73.05 to 170,107.46 on Mechanical1
122.925,73.05 to 125.825,110 on Mechanical1
98.725,73.05 to 122.925,73.05 on Mechanical1
166.5,106.5 to 163.7,104.75 on Mechanical1
49.25,85.75 to 52.725,88.175 on Mechanical1
0,2.54 to 56.125,24.475 on Mechanical1
2.54,0 to 56.125,24.475 on Mechanical1
2.54,0 to 49.25,14.25 on Mechanical1
49.25,14.25 to 120.75,14.25 on Mechanical1
49.25,14.25 to 49.25,85.75 on Mechanical1
0,2.54 to 49.25,14.25 on Mechanical1
3.5,3.5 to 2.54,0 on Mechanical1
3.5,3.5 to 0,2.54 on Mechanical1
3.5,3.5 to 3.5,106.5 on Mechanical1
3.5,3.5 to 166.5,3.5 on Mechanical1
-15.2,125.2 to -15.2,-15.2 on Mechanical1
0,2.54 to 170,2.54 on Mechanical1
-15.2,-15.2 to 185.215,-15.2 on Mechanical1

## Text inside footprints (layer, text, board x,y; h text height)
AT1: ASM BOT "4" at 36.8,84.725 h0.55; ASM BOT "1" at 43.075,84.75 h0.55
BATT1: ASM TOP "NEGATIVE / TERMINAL" at 133.075,69.9 h0.55; ASM TOP "POSITIVE / TERMINAL" at 133.125,52.8 h0.55
BTN1: ASM TOP "Board edge" at 116.9,1.575 h0.55
BZ1: ASM TOP "positive (longer pin)" at 82.55,8.325 h0.55 r90
D2: ASM BOT "A" at 31.225,81.2 h0.55; ASM BOT "C" at 31.35,85.225 h0.55
D3: ASM BOT "C" at 23.975,80.725 h0.55; ASM BOT "A" at 20.075,80.725 h0.55
D5: ASM TOP "C" at 14.65,71.825 h0.55 r90; ASM TOP "A" at 14.65,74.3 h0.55 r90
D6: ASM BOT "C" at 22.975,88.925 h0.55; ASM BOT "A" at 25.45,88.95 h0.55
D7: ASM BOT "A" at 15.15,84.625 h0.55; ASM BOT "C" at 15.175,80.2 h0.55
D9: ASM BOT "A" at 66.875,96.85 h0.55 r270; ASM BOT "C" at 66.875,93.475 h0.55 r270
FAN1: ASM TOP "FAN" at 51.525,10.65 h1.5
J1: ASM TOP "1" at 54.5,55.325 h0.55 r90; ASM TOP "2" at 57.2,55.425 h0.55 r90; ASM TOP "100" at 57.25,35.1 h0.55 r90; ASM TOP "99" at 54.55,35 h0.55 r90; TopOverlay "2" at 58.525,55.85 h0.55 r90; TopOverlay "1" at 53.425,55.75 h0.55 r90; TopOverlay "99" at 53.425,36.55 h0.55 r90; TopOverlay "100" at 58.525,36.65 h0.55 r90
J2: ASM TOP "1" at 88.5,55.325 h0.55 r90; ASM TOP "2" at 91.2,55.425 h0.55 r90; ASM TOP "100" at 91.25,35.1 h0.55 r90; ASM TOP "99" at 88.55,35 h0.55 r90; TopOverlay "2" at 92.525,55.85 h0.55 r90; TopOverlay "1" at 87.425,55.75 h0.55 r90; TopOverlay "99" at 87.425,36.55 h0.55 r90; TopOverlay "100" at 92.525,36.65 h0.55 r90
J3: ASM TOP "1" at 99.025,20.6 h0.55; ASM TOP "2" at 99.325,28.9 h0.55; ASM TOP "52" at 122.525,28.9 h0.55; ASM TOP "51" at 122.125,20.6 h0.55
J4: ASM TOP "CD" at 157.025,21.95 h0.55 r90; ASM TOP "C5" at 157.025,20.45 h0.55 r90; ASM TOP "C1" at 157.025,19.45 h0.55 r90; ASM TOP "C6" at 157.025,17.95 h0.55 r90; ASM TOP "C2" at 157.025,16.7 h0.55 r90; ASM TOP "C7" at 157.025,15.45 h0.55 r90; ASM TOP "C3" at 157.025,14.2 h0.55 r90
J7: ASM TOP "1" at 2.193,77 h0.55 r270; ASM TOP "8" at 2.193,84.7 h0.55 r270
J8: ASM TOP "KEY" at 167.825,67.475 h0.55 r90; ASM TOP "1" at 165.025,63.025 h0.55
J9: ASM TOP "1" at 90.1,92.925 h0.55; ASM TOP "9" at 80,92.925 h0.55; ASM TOP "11" at 90.3,98.025 h0.55; ASM TOP "14" at 78.9,98.025 h0.55
J10: ASM TOP "1" at 165.85,31.75 h0.55 r90; ASM TOP "2" at 163.35,31.75 h0.55 r90
J12: Mechanical13 "PCB Edge" at -3,56.698 h0.4 r180
J13: Mechanical13 "PCB Edge" at -3,72.898 h0.4 r180
J14: ASM TOP "1" at 153.275,55.75 h0.6 r90
J16: ASM TOP "Board edge" at 2.675,91.7 h0.55 r90; ASM TOP "5" at 8.975,92.7 h0.55 r90; ASM TOP "4" at 2.275,91 h0.55 r90; ASM TOP "3" at 8.975,95.9 h0.55 r90; ASM TOP "2" at 5.875,90.6 h0.55 r90; ASM TOP "1" at 2.275,97.9 h0.55 r90; TopOverlay "1" at 0.95,99.7 h0.55 r90; TopOverlay "2" at 7.275,88.4 h0.55 r90; TopOverlay "3" at 11.525,95.925 h0.55 r90; TopOverlay "4" at 2.375,88.4 h0.55 r90; TopOverlay "5" at 11.55,92.7 h0.55 r90
J17: ASM TOP "15" at 132,20.375 h0.55; ASM TOP "1" at 148,20.375 h0.55; ASM TOP "15" at 132,23.875 h0.55; ASM TOP "1" at 148,23.875 h0.55; TopOverlay "1" at 148.2,24.375 h0.55; TopOverlay "15" at 131.6,24.375 h0.55; TopOverlay "15" at 131.6,19.575 h0.55; TopOverlay "1" at 148.2,19.575 h0.55
J18: ASM TOP "15" at 132,29.375 h0.55; ASM TOP "1" at 148,32.875 h0.55; ASM TOP "15" at 132,32.875 h0.55; ASM TOP "1" at 148,29.375 h0.55; TopOverlay "1" at 148.2,28.575 h0.55; TopOverlay "15" at 131.6,28.575 h0.55; TopOverlay "15" at 131.6,33.375 h0.55; TopOverlay "1" at 148.2,33.375 h0.55
J22: ASM TOP "1" at 19.8,105.125 h0.55; ASM TOP "KEY" at 18,107.6 h0.55
J23: ASM TOP "Connector out" at 7.05,108.525 h0.55
J24: ASM TOP "in" at 19.325,97.825 h0.55 r90
J25: ASM TOP "1" at 5.287,17.734 h0.55 r90; ASM TOP "KEY" at 2.562,14.641 h0.55 r90
J26: ASM TOP "KEY" at 11.016,15.934 h0.55 r90; ASM TOP "1" at 13.491,17.734 h0.55 r90
J27: ASM TOP "A12" at 49.85,101.225 h0.55; ASM TOP "A1" at 57.075,101.275 h0.55; ASM TOP "PCB edge" at 51.55,110.775 h0.55
J29: ASM TOP "T1" at 15.1,33.25 h0.55 r90; ASM TOP "B1" at 12.6,33.25 h0.55 r90; ASM TOP "B4" at 12.6,26.25 h0.55 r90; ASM TOP "PCB edge" at 3.175,28.6 h0.55 r90; ASM TOP "T4" at 15.1,26.25 h0.55 r90
J31: ASM TOP "1" at 24.975,36 h0.55; TopOverlay "1" at 23,42.1 h0.7
J32: ASM TOP "Connector out" at 22.85,108.55 h0.55
J33: ASM TOP "in" at 142.225,37.275 h0.55 r90
J35: ASM TOP "Connector out" at 37.85,108.55 h0.55
J40: ASM TOP "in" at 164.24,80.925 h0.55
J41: ASM TOP "in" at 126.24,80.925 h0.55
J42: ASM TOP "Connector out" at 155.45,108.55 h0.55
J43: ASM TOP "Connector out" at 117.45,108.55 h0.55
J44: ASM TOP "in" at 145.24,80.925 h0.55
J45: ASM TOP "in" at 107.24,80.925 h0.55
J46: ASM TOP "Connector out" at 136.45,108.55 h0.55
J47: ASM TOP "Connector out" at 98.45,108.55 h0.55
J50: ASM TOP "KEY" at 39.425,69 h0.55; ASM TOP "1" at 41.225,66.525 h0.55
J51: ASM TOP "1" at 34.225,94.875 h0.55; ASM TOP "KEY" at 37.175,95.525 h0.55 r90
J52: ASM TOP "1" at 31.525,56.5 h0.55 r90; TopOverlay "1" at 31.6,56.575 h0.55 r90
L5: ASM TOP "No polarity" at 65.675,85.4 h0.3 r90
L6: ASM BOT "No polarity" at 45.375,91.875 h0.3 r270
L7: ASM TOP "no polarity" at 44.75,27.375 h0.55 r90
L8: ASM TOP "no polarity" at 45.85,48 h0.55 r90
LED1: ASM TOP "C" at 74.085,3.228 h0.55 r90; ASM TOP "A" at 74.085,1.428 h0.55 r90
LED2: ASM TOP "C" at 81.585,3.228 h0.55 r90; ASM TOP "A" at 81.585,1.428 h0.55 r90
LED3: ASM TOP "C" at 89.085,3.228 h0.55 r90; ASM TOP "A" at 89.085,1.428 h0.55 r90
LED4: ASM TOP "C" at 96.585,3.225 h0.55 r90; ASM TOP "A" at 96.585,1.425 h0.55 r90
LED5: ASM TOP "C" at 104.085,3.225 h0.55 r90; ASM TOP "A" at 104.085,1.425 h0.55 r90
LED6: ASM TOP "A" at 66.585,1.428 h0.55 r90; ASM TOP "C" at 66.585,3.228 h0.55 r90
LED7: ASM TOP "A" at 94.5,107 h0.55 r90; ASM TOP "C" at 94.5,108.8 h0.55 r90
LED8: ASM TOP "A" at 48.45,106.975 h0.55 r90; ASM TOP "C" at 48.45,108.775 h0.55 r90
MECH19: ASM TOP "RF shield frame" at 132.275,81.025 h0.55
MECH20: ASM TOP "RF shield frame" at 94.4,81.025 h0.55
MECH21: ASM TOP "RF shield frame" at 151.475,81.025 h0.55
MECH22: ASM TOP "RF shield frame" at 113.375,81 h0.55
MECH23: ASM TOP "RF shield cover" at 168.35,87.375 h0.55 r90
MECH24: ASM TOP "RF shield cover" at 95.9,87.4 h0.55 r90
MECH25: ASM TOP "RF shield cover" at 133.925,87.275 h0.55 r90
MECH26: ASM TOP "RF shield cover" at 130.35,87.375 h0.55 r90
VD1: ASM BOT "C" at 89.795,89 h0.55 r270; ASM BOT "A" at 89.795,91.475 h0.55 r270
VD2: ASM BOT "A" at 88.45,97.2 h0.55; ASM BOT "C" at 85.975,97.2 h0.55
VD3: ASM BOT "C" at 87.925,89 h0.55 r270; ASM BOT "A" at 87.925,91.475 h0.55 r270
VD4: ASM BOT "A" at 84.45,97.025 h0.55; ASM BOT "C" at 84.475,99.35 h0.55
VD5: ASM BOT "A" at 82.85,91.475 h0.55 r270; ASM BOT "C" at 82.85,89 h0.55 r270
VD6: ASM BOT "A" at 83.275,97.2 h0.55; ASM BOT "C" at 80.8,97.2 h0.55
VD7: ASM BOT "A" at 80.975,91.475 h0.55 r270; ASM BOT "C" at 80.975,89 h0.55 r270
VD8: ASM BOT "A" at 78.35,93.825 h0.55 r270; ASM BOT "C" at 78.35,91.35 h0.55 r270
VD9: ASM BOT "C" at 32.125,62.775 h0.55 r270; ASM BOT "A" at 32.125,58.875 h0.55 r270
VD10: ASM BOT "A" at 10.585,29.525 h0.55; ASM BOT "C" at 8.11,29.525 h0.55
VD11: ASM BOT "A" at 10.585,31.525 h0.55; ASM BOT "C" at 8.11,31.525 h0.55
VD12: ASM BOT "A" at 16.125,29.55 h0.55; ASM BOT "C" at 18.6,29.55 h0.55
VD13: ASM BOT "A" at 16.125,31.55 h0.55; ASM BOT "C" at 18.6,31.55 h0.55
VD14: ASM BOT "A" at 23.05,29.45 h0.55; ASM BOT "C" at 20.575,29.475 h0.55
VD15: ASM BOT "A" at 22.5,31.55 h0.55; ASM BOT "C" at 20.025,31.55 h0.55
VD16: ASM BOT "A" at 29.344,30.944 h0.55; ASM BOT "C" at 31.819,30.944 h0.55
VD17: ASM BOT "A" at 29.344,33.53 h0.55; ASM BOT "C" at 31.819,33.53 h0.55
VD18: ASM BOT "C" at 63.075,89.425 h0.55 r270; ASM BOT "A" at 63.075,85.425 h0.55 r270
VD19: ASM TOP "C" at 51.175,94.775 h0.55; ASM TOP "A" at 55.075,94.775 h0.55
VD20: ASM BOT "C" at 51.6,94.35 h0.55; ASM BOT "A" at 55.9,94.35 h0.55
VD21: ASM TOP "A" at 55.075,90.4 h0.55; ASM TOP "C" at 51.175,90.4 h0.55
VD22: ASM BOT "A" at 47.225,102.5 h0.55; ASM BOT "C" at 47.175,98.025 h0.55
VD23: ASM BOT "A" at 35.425,45.85 h0.55 r270; ASM BOT "C" at 35.425,49.75 h0.55 r270
XO1: TopOverlay "OCXO" at 132.775,12.35 h0.7